# Altium PCB Copy of Blower_Pcb.PcbDoc (part 1 of 2) (continued)
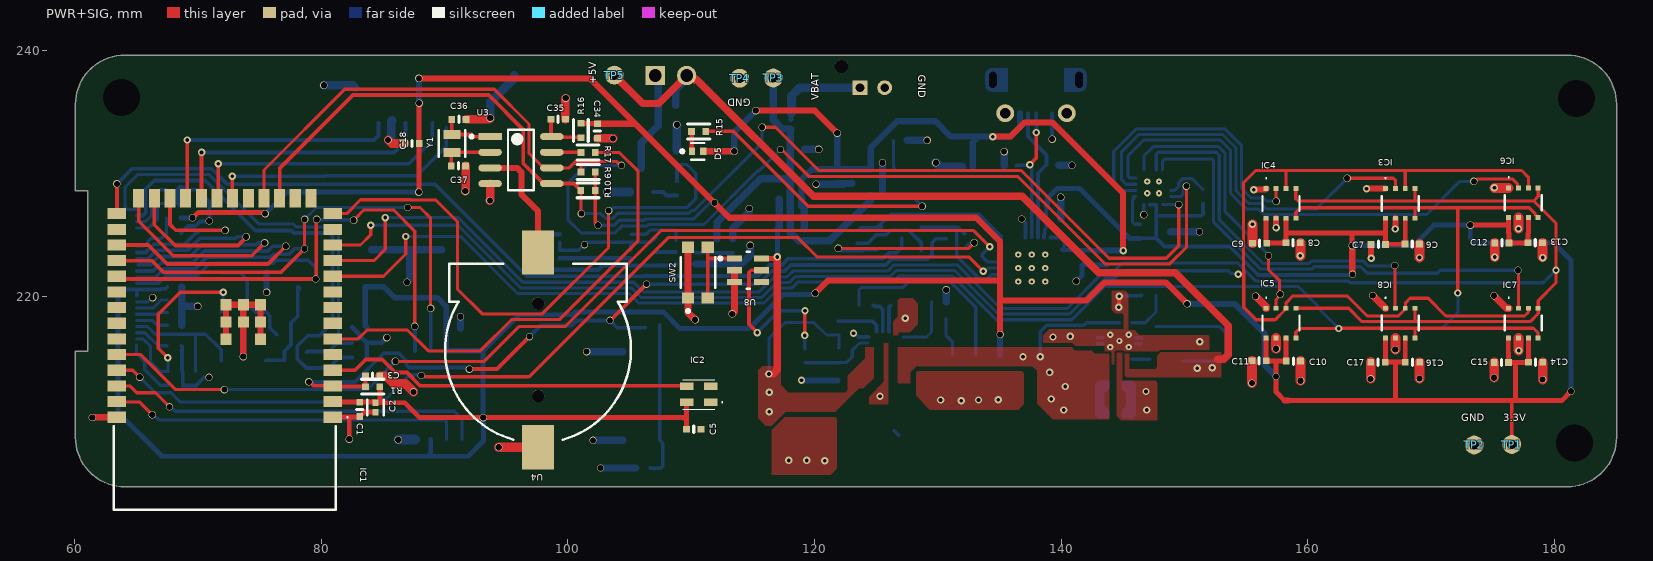
[diagram p0: PWR+SIG view]
## Part data (continued)
Q2: library part CMP-02550-000099-2, "MOSFET N-CH 30V 1.4A SC-70-3", Case/Package=SOT-323, Continuous Drain Current (ID)=1.5A, Drain to Source Breakdown Voltage=30V, Drain to Source Resistance=132mR, Gate to Source Voltage (Vgs)=12V, Input Capacitance=105pF, Max Operating Temperature=150°C, Max Power Dissipation=500mW, Min Operating Temperature=-55°C, Package Quantity=3000, Power Dissipation=400mW, Threshold Voltage=600mV, Drain to Source Voltage (Vdss)=30V, Drain-source On Resistance-Max=132mR, Element Configuration=Single, Fall Time=8ns, Height=1mm, Lead Free="Lead Free", Length=2.2mm, Mount="Surface Mount", Number of Channels=1, Number of Elements=1, Number of Pins=3, On-State Resistance=132mR, Packaging="Tape and Reel", Polarity=N-CHANNEL, Radiation Hardening=No, Rds On Max=132mR, REACH SVHC="No SVHC", Rise Time=9ns, RoHS Compliant=Yes, Series=TrenchFET®, Turn-Off Delay Time=8ns, Turn-On Delay Time=2ns, Weight=0.004395oz, Width=1.35mm
Q3: library part CMP-12801-000080-1, "MOSFET P-CH 30V 2.5A SOT-23", Case/Package=SOT-23, Continuous Drain Current (ID)=3.8A, Drain to Source Resistance=90mR, Drain to Source Voltage (Vdss)=30V, Gate to Source Voltage (Vgs)=20V, Input Capacitance=371.3pF, Max Operating Temperature=150°C, Max Power Dissipation=760mW, Min Operating Temperature=-55°C, Package Quantity=3000, Power Dissipation=1.36W, Element Configuration=Single, Fall Time=13.4ns, Height=1mm, Lead Free="Lead Free", Length=3mm, Mount="Surface Mount", Number of Channels=1, Number of Elements=1, Number of Pins=3, Packaging="Tape and Reel", Radiation Hardening=No, Rds On Max=90mR, REACH SVHC="No SVHC", Rise Time=7.3ns, Turn-Off Delay Time=22.4ns, Turn-On Delay Time=4.8ns, Weight=0.000282oz, Width=1.4mm
Q4 Q5: library part CMP-20235-000001-1, "NPN TRANSISTOR 1.5A 40V SOT-23 R", Case/Package=TO-236-3, Collector Emitter Breakdown Voltage=25V, Collector Emitter Voltage (VCEO)=400mV, Max Collector Current=1.5A, Max Power Dissipation=300mW, Transition Frequency=100MHz, Max Breakdown Voltage=25V, Mount="Surface Mount", Packaging="Tape and Reel", RoHS Compliant=Yes
Q6: "N/A", Package=Package, Availability="Not in stock", Check_prices=https://www.snapeda.com/parts/FS8205A/Fortune+Semiconductor/view-part/?ref=eda, MF="Fortune Semiconductor", MP=FS8205A, Price=None, SnapEDA_Link=https://www.snapeda.com/parts/FS8205A/Fortune+Semiconductor/view-part/?ref=snap
R1 R4 R5 R7 R9 R10 R11 R12 R14 R18 R19 R20: library part ERJ-2GEJ103X, "RES SMD 10K OHM 5% 1/10W 0402", Digi-Key Part Number=P10KJCT-ND, Manufacturer="Panasonic Electronic Components", Operating Temperature="-55°C ~ 155°C", Package / Case="0402 (1005 Metric)", Power (Watts)="0.1W, 1/10W", Supplier Device Package=0402, Temperature Coefficient=±200ppm/°C, Tolerance=±5%, @ qty=1500, Composition="Thick Film", Datasheets=http://industrial.panasonic.com/www-cgi/jvcr13pz.cgi?E+PZ+3+AOA0001+ERJ2GEJ103X+7+WW, Factory Stock=0, Failure Rate=-, Features="Automotive AEC-Q200", Height - Seated (Max)="0.016\" (0.40mm)", Image=//media.digikey.com/Photos/Panasonic%20Photos/ERJ-PA2-Series.jpg, Minimum Quantity=1, Number of Terminations=2, Packaging="Cut Tape (CT)", Part Number=ERJ-2GEJ103X, Part Status=Active, Quantity Available=2560215, Series=ERJ, Size / Dimension="0.039\" L x 0.020\" W (1.00mm x 0.50mm)", Unit Price (USD)=0.00350
R2 R17 R28 R29: library part ERJ-2GE0R00X, "RES SMD 0.0OHM JUMPER 1/10W 0402", Digi-Key Part Number=P0.0JCT-ND, Manufacturer="Panasonic Electronic Components", Operating Temperature="-55°C ~ 155°C", Package / Case="0402 (1005 Metric)", Power (Watts)="0.1W, 1/10W", Supplier Device Package=0402, Temperature Coefficient=-, Tolerance=Jumper, @ qty=1500, Composition="Thick Film", Datasheets=http://industrial.panasonic.com/www-cgi/jvcr13pz.cgi?E+PZ+3+AOA0001+ERJ2GE0R00X+7+WW, Factory Stock=0, Failure Rate=-, Features="Automotive AEC-Q200", Height - Seated (Max)="0.016\" (0.40mm)", Image=//media.digikey.com/Photos/Panasonic%20Photos/ERJ-PA2-Series.jpg, Minimum Quantity=1, Number of Terminations=2, Packaging="Cut Tape (CT)", Part Number=ERJ-2GE0R00X, Part Status=Active, Quantity Available=3152483, Series=ERJ, Size / Dimension="0.039\" L x 0.020\" W (1.00mm x 0.50mm)", Unit Price (USD)=0.00384
R3 R25: library part ERJ-2RKF1000X, "RES SMD 100 OHM 1% 1/10W 0402", Digi-Key Part Number=P100LCT-ND, Manufacturer="Panasonic Electronic Components", Operating Temperature="-55°C ~ 155°C", Package / Case="0402 (1005 Metric)", Power (Watts)="0.1W, 1/10W", Supplier Device Package=0402, Temperature Coefficient=±100ppm/°C, Tolerance=±1%, @ qty=1500, Composition="Thick Film", Datasheets=http://industrial.panasonic.com/www-cgi/jvcr13pz.cgi?E+PZ+3+AOA0002+ERJ2RKF1000X+7+WW, Factory Stock=0, Failure Rate=-, Features="Automotive AEC-Q200", Height - Seated (Max)="0.016\" (0.40mm)", Image=//media.digikey.com/Photos/Panasonic%20Photos/ERJ-PA2-Series.jpg, Minimum Quantity=1, Number of Terminations=2, Packaging="Cut Tape (CT)", Part Number=ERJ-2RKF1000X, Part Status=Active, Quantity Available=2283953, Series=ERJ, Size / Dimension="0.039\" L x 0.020\" W (1.00mm x 0.50mm)", Unit Price (USD)=0.00496
R6 R8: library part ERJ-2GEJ3R0X, "RES SMD 3 OHM 5% 1/10W 0402", Digi-Key Part Number=P3.0JCT-ND, Manufacturer="Panasonic Electronic Components", Operating Temperature="-55°C ~ 155°C", Package / Case="0402 (1005 Metric)", Power (Watts)="0.1W, 1/10W", Supplier Device Package=0402, Temperature Coefficient="-100/ +600ppm/°C", Tolerance=±5%, @ qty=1500, Composition="Thick Film", Datasheets=http://industrial.panasonic.com/www-cgi/jvcr13pz.cgi?E+PZ+3+AOA0001+ERJ2GEJ3R0X+7+WW, Factory Stock=0, Failure Rate=-, Features="Automotive AEC-Q200", Height - Seated (Max)="0.016\" (0.40mm)", Image=//media.digikey.com/Photos/Panasonic%20Photos/ERJ-PA2-Series.jpg, Minimum Quantity=1, Number of Terminations=2, Packaging="Cut Tape (CT)", Part Number=ERJ-2GEJ3R0X, Part Status=Active, Quantity Available=212144, Series=ERJ, Size / Dimension="0.039\" L x 0.020\" W (1.00mm x 0.50mm)", Unit Price (USD)=0.00350
R13: library part ERJ-2GEJ202X, "RES SMD 2K OHM 5% 1/10W 0402", Digi-Key Part Number=P2.0KJCT-ND, Manufacturer="Panasonic Electronic Components", Operating Temperature="-55°C ~ 155°C", Package / Case="0402 (1005 Metric)", Power (Watts)="0.1W, 1/10W", Supplier Device Package=0402, Temperature Coefficient=±200ppm/°C, Tolerance=±5%, @ qty=1500, Composition="Thick Film", Datasheets=http://industrial.panasonic.com/www-cgi/jvcr13pz.cgi?E+PZ+3+AOA0001+ERJ2GEJ202X+7+WW, Factory Stock=0, Failure Rate=-, Features="Automotive AEC-Q200", Height - Seated (Max)="0.016\" (0.40mm)", Image=//media.digikey.com/Photos/Panasonic%20Photos/ERJ-PA2-Series.jpg, Minimum Quantity=1, Number of Terminations=2, Packaging="Cut Tape (CT)", Part Number=ERJ-2GEJ202X, Part Status=Active, Quantity Available=185761, Series=ERJ, Size / Dimension="0.039\" L x 0.020\" W (1.00mm x 0.50mm)", Unit Price (USD)=0.00350
R15: library part ERJ-2RKF4700X, "RES SMD 470 OHM 1% 1/10W 0402", Digi-Key Part Number=P470LCT-ND, Manufacturer="Panasonic Electronic Components", Operating Temperature="-55°C ~ 155°C", Package / Case="0402 (1005 Metric)", Power (Watts)="0.1W, 1/10W", Supplier Device Package=0402, Temperature Coefficient=±100ppm/°C, Tolerance=±1%, @ qty=1500, Composition="Thick Film", Datasheets=http://industrial.panasonic.com/www-cgi/jvcr13pz.cgi?E+PZ+3+AOA0002+ERJ2RKF4700X+7+WW, Factory Stock=0, Failure Rate=-, Features="Automotive AEC-Q200", Height - Seated (Max)="0.016\" (0.40mm)", Image=//media.digikey.com/Photos/Panasonic%20Photos/ERJ-PA2-Series.jpg, Minimum Quantity=1, Number of Terminations=2, Packaging="Cut Tape (CT)", Part Number=ERJ-2RKF4700X, Part Status=Active, Quantity Available=52644, Series=ERJ, Size / Dimension="0.039\" L x 0.020\" W (1.00mm x 0.50mm)", Unit Price (USD)=0.00496
R16 R27: library part ERJ-2GEJ102X, "RES SMD 1K OHM 5% 1/10W 0402", Digi-Key Part Number=P1.0KJCT-ND, Manufacturer="Panasonic Electronic Components", Operating Temperature="-55°C ~ 155°C", Package / Case="0402 (1005 Metric)", Power (Watts)="0.1W, 1/10W", Supplier Device Package=0402, Temperature Coefficient=±200ppm/°C, Tolerance=±5%, @ qty=1500, Composition="Thick Film", Datasheets=http://industrial.panasonic.com/www-cgi/jvcr13pz.cgi?E+PZ+3+AOA0001+ERJ2GEJ102X+7+WW, Factory Stock=0, Failure Rate=-, Features="Automotive AEC-Q200", Height - Seated (Max)="0.016\" (0.40mm)", Image=//media.digikey.com/Photos/Panasonic%20Photos/ERJ-PA2-Series.jpg, Minimum Quantity=1, Number of Terminations=2, Packaging="Cut Tape (CT)", Part Number=ERJ-2GEJ102X, Part Status=Active, Quantity Available=1939857, Series=ERJ, Size / Dimension="0.039\" L x 0.020\" W (1.00mm x 0.50mm)", Unit Price (USD)=0.00350
R21: library part ERJ-2RKF4703X, "RES SMD 470K OHM 1% 1/10W 0402", Digi-Key Part Number=P470KLCT-ND, Manufacturer="Panasonic Electronic Components", Operating Temperature="-55°C ~ 155°C", Package / Case="0402 (1005 Metric)", Power (Watts)="0.1W, 1/10W", Supplier Device Package=0402, Temperature Coefficient=±100ppm/°C, Tolerance=±1%, @ qty=1500, Composition="Thick Film", Datasheets=http://industrial.panasonic.com/www-cgi/jvcr13pz.cgi?E+PZ+3+AOA0002+ERJ2RKF4703X+7+WW, Factory Stock=0, Failure Rate=-, Features="Automotive AEC-Q200", Height - Seated (Max)="0.016\" (0.40mm)", Image=//media.digikey.com/Photos/Panasonic%20Photos/ERJ-PA2-Series.jpg, Minimum Quantity=1, Number of Terminations=2, Packaging="Cut Tape (CT)", Part Number=ERJ-2RKF4703X, Part Status=Active, Quantity Available=171557, Series=ERJ, Size / Dimension="0.039\" L x 0.020\" W (1.00mm x 0.50mm)", Unit Price (USD)=0.00496
R22: library part ERJ-2GEJ154X, "RES SMD 150K OHM 5% 1/10W 0402", Digi-Key Part Number=P150KJCT-ND, Manufacturer="Panasonic Electronic Components", Operating Temperature="-55°C ~ 155°C", Package / Case="0402 (1005 Metric)", Power (Watts)="0.1W, 1/10W", Supplier Device Package=0402, Temperature Coefficient=±200ppm/°C, Tolerance=±5%, @ qty=1500, Composition="Thick Film", Datasheets=http://industrial.panasonic.com/www-cgi/jvcr13pz.cgi?E+PZ+3+AOA0001+ERJ2GEJ154X+7+WW, Factory Stock=0, Failure Rate=-, Features="Automotive AEC-Q200", Height - Seated (Max)="0.016\" (0.40mm)", Image=//media.digikey.com/Photos/Panasonic%20Photos/ERJ-PA2-Series.jpg, Minimum Quantity=1, Number of Terminations=2, Packaging="Cut Tape (CT)", Part Number=ERJ-2GEJ154X, Part Status=Active, Quantity Available=100107, Series=ERJ, Size / Dimension="0.039\" L x 0.020\" W (1.00mm x 0.50mm)", Unit Price (USD)=0.00350
R23: library part ERJ-2GEJ104X, "RES SMD 100K OHM 5% 1/10W 0402", Digi-Key Part Number=P100KJCT-ND, Manufacturer="Panasonic Electronic Components", Operating Temperature="-55°C ~ 155°C", Package / Case="0402 (1005 Metric)", Power (Watts)="0.1W, 1/10W", Supplier Device Package=0402, Temperature Coefficient=±200ppm/°C, Tolerance=±5%, @ qty=1500, Composition="Thick Film", Datasheets=http://industrial.panasonic.com/www-cgi/jvcr13pz.cgi?E+PZ+3+AOA0001+ERJ2GEJ104X+7+WW, Factory Stock=0, Failure Rate=-, Features="Automotive AEC-Q200", Height - Seated (Max)="0.016\" (0.40mm)", Image=//media.digikey.com/Photos/Panasonic%20Photos/ERJ-PA2-Series.jpg, Minimum Quantity=1, Number of Terminations=2, Packaging="Cut Tape (CT)", Part Number=ERJ-2GEJ104X, Part Status=Active, Quantity Available=2387986, Series=ERJ, Size / Dimension="0.039\" L x 0.020\" W (1.00mm x 0.50mm)", Unit Price (USD)=0.00350
R24: library part ERJ-2GEJ205X, "RES SMD 2M OHM 5% 1/10W 0402", Digi-Key Part Number=P2.0MJCT-ND, Manufacturer="Panasonic Electronic Components", Operating Temperature="-55°C ~ 155°C", Package / Case="0402 (1005 Metric)", Power (Watts)="0.1W, 1/10W", Supplier Device Package=0402, Temperature Coefficient="-400/ +150ppm/°C", Tolerance=±5%, @ qty=1500, Composition="Thick Film", Datasheets=http://industrial.panasonic.com/www-cgi/jvcr13pz.cgi?E+PZ+3+AOA0001+ERJ2GEJ205X+7+WW, Factory Stock=0, Failure Rate=-, Features="Automotive AEC-Q200", Height - Seated (Max)="0.016\" (0.40mm)", Image=//media.digikey.com/Photos/Panasonic%20Photos/ERJ-PA2-Series.jpg, Minimum Quantity=1, Number of Terminations=2, Packaging="Cut Tape (CT)", Part Number=ERJ-2GEJ205X, Part Status=Active, Quantity Available=395013, Series=ERJ, Size / Dimension="0.039\" L x 0.020\" W (1.00mm x 0.50mm)", Unit Price (USD)=0.00350
R26: library part ERJ-2GEJ224X, "RES SMD 220K OHM 5% 1/10W 0402", Digi-Key Part Number=P220KJCT-ND, Manufacturer="Panasonic Electronic Components", Operating Temperature="-55°C ~ 155°C", Package / Case="0402 (1005 Metric)", Power (Watts)="0.1W, 1/10W", Supplier Device Package=0402, Temperature Coefficient=±200ppm/°C, Tolerance=±5%, @ qty=1500, Composition="Thick Film", Datasheets=http://industrial.panasonic.com/www-cgi/jvcr13pz.cgi?E+PZ+3+AOA0001+ERJ2GEJ224X+7+WW, Factory Stock=0, Failure Rate=-, Features="Automotive AEC-Q200", Height - Seated (Max)="0.016\" (0.40mm)", Image=//media.digikey.com/Photos/Panasonic%20Photos/ERJ-PA2-Series.jpg, Minimum Quantity=1, Number of Terminations=2, Packaging="Cut Tape (CT)", Part Number=ERJ-2GEJ224X, Part Status=Active, Quantity Available=84801, Series=ERJ, Size / Dimension="0.039\" L x 0.020\" W (1.00mm x 0.50mm)", Unit Price (USD)=0.00350
SW1: library part CMP-17879-000010-1, "SWITCH TACTILE SPST-NO 50MA 12V", Max Operating Temperature=70°C, Min Operating Temperature=-20°C, Operating Force=260gf, Actuator Type=Standard, Illumination Type=Non-Illuminated, Lead Free="Lead Free", Mechanical Life=200000Cycles, Mount="Surface Mount", Packaging="Tape and Reel", Switch Function=Off-Mom, Switch Travel=0.2mm, Termination="Gull Wing", Throw Configuration=SPST
SW2: library part CMP-10040-000006-1, "SWITCH TACTILE SPST-NO 0.05A 32V", Contact Current Rating=50mA, Contact Resistance=100mΩ, Manufacturer=C&K, Operating Force=2N, Package=0, Temperature="-40°C to +85°C", Temperature Range High=+85°C, Temperature Range Low=-40°C, Voltage Rating Dc=32V, Automotive=No, Category=Switch, ComponentLink2Description=Datasheet, ComponentLink2URL=https://dznh3ojzb2azq.cloudfront.net/products/Tactile/KMR2/documents/datasheet.pdf, Device Class L1=Electromechanical, Device Class L2=Switches, Device Class L3="Tactile Switches", Digikey Description="SWITCH TACTILE SPST-NO 0.05A 32V", Electromechanical Life=200000Cycles, Height=1.9mm, Lead Free=Yes, Manufacturer Part Number=KMR221NGLFS, Mount="Surface Mount", Mouser Description="Tactile Switches Tact", Octopart=https://octopart.com/kmr221nglfs-c%26k+components-7203802, RoHS=TRUE, Throw Configuration=SPST-NO
TP1 TP2 TP3 TP4 TP5: "0.4mm hole size Test point", Alternate Part Number-1=NA, Case/Package=TH, Manufacturer=NA, Manufacturer Part Number=NA, Supplier Part Number-1=NA, Supplier-1=NA
U1: library part CMP-0314-00034-2, "Low-Voltage 8-Bit I2C and SMBus I/O Expander, 1.65 to 5.5 V, -40 to 85 degC, 16-pin QFN (RGT), Green (RoHS & no Sb/Br)", 5V Tolerant I/O=Yes, Manufacturer="Texas Instruments", Max Frequency(kHz)=400, # of I/Os=8, Code_JEDEC=MO-220, ComponentLink1Description=Datasheet, ComponentLink1URL=http://www.ti.com/general/docs/lit/getliterature.tsp?genericPartNumber=TCA6408A&fileType=pdf, ComponentLink2Description="Package Specification", ComponentLink2URL=http://www.ti.com/litv/pdf/mpds361, Configuration Registers=Yes, DatasheetVersion=SCPS192C, Eco-Plan="Green (RoHS & no Sb/Br)", fSCLK(Max)(MHz)=400, I2C Address="0100 00x", Interrupt Output=Yes, Low Power=Yes, Mounting Technology="Surface Mount", No. of Outputs=8, PackageDescription="16-Pin Plastic Quad Flat No-Lead, 3 x 3 mm Body, 0.5 mm Pitch, 1.45 x 1.45 mm Exposed Pad", PackageReference=RGT0016A, PackageVersion="revH, Oct-2011", PartNumber=TCA6408ARGTR, Push-Pull I/O Type=Yes, Reset Input=Yes, SubFamily="I2C IO Expander", Vcc range(V)="1.65 to 5.5", VCC(Max)(V)=5.5, VCC(Min)(V)=1.65
U2: library part CMP-0133-00143-2, "IC CONTROLLR LI-ION 4.2V SOT23-5", Case/Package=SOT-23, Drain to Source Resistance=350mR, Max Charge Current=500mA, Max Input Voltage=6V, Max Operating Temperature=85°C, Max Output Voltage=4.5V, Max Power Dissipation=1.54W, Min Operating Temperature=-40°C, Min Output Voltage=4.168V, Min Supply Voltage=3.75V, Output Voltage=4.2V, Voltage Rating=4.534V, Contact Plating=Tin, Height=0.051inch, Lead Free="Lead Free", Length=0.122inch, Max Supply Voltage=6V, Mount="Surface Mount", Number of Cells=1, Number of Channels=1, Number of Outputs=1, Number of Pins=5, Output Current=500mA, Packaging="Tape and Reel", Radiation Hardening=No, REACH SVHC="No SVHC", Termination=SMD/SMT, Weight=0.00709oz, Width=0.071inch
U3: library part CMP-10083-000014-1, "IC RTC CLK/CALENDAR I2C 8-SOIC", Case/Package=SO, Max Operating Temperature=85°C, Max Supply Voltage=5.5V, Min Operating Temperature=-40°C, Min Supply Voltage=1.2V, Package Quantity=2500, Contact Plating=Gold, Interface=I2C, Lead Free="Lead Free", Logic Function=Clock, Mount="Surface Mount", Number of Pins=8, Packaging="Tape and Reel", Radiation Hardening=No, REACH SVHC="No SVHC", Time Format=HH:MM:SS
U4: "Undefined or Miscellaneous", Manufacturer_Name="Keystone Electronics", Mouser Part Number=534-1056TR, Datasheet Link=http://www.keyelco.com/product-pdf.cfm?p=4028, Manufacturer_Part_Number=1056TR, Mouser Price/Stock=https://www.mouser.co.uk/ProductDetail/Keystone-Electronics/1056TR?qs=sZfk%252BfAlGe6t6AyLJNcPdQ%3D%3D
U5: library part CMP-2000-04924-1, "Single-Chip USB to URAT Bridge, 3.3 V, -40 to 85 degC, 28-Pin QFN, RoHS, Tape and Reel", Manufacturer="Silicon Labs", Operating Supply Voltage (Max)=3.6V, Operating Supply Voltage (Min)=3V, Operating Supply Voltage (Typ)=3.3V, Operating Temperature (Max)=85C, Operating Temperature (Min)=-40C, Operating Temperature Classification=Industrial, Package Description="28-Pin Quad-Flat No-Leads Package, Body 5 x 5 mm, Pitch 0.5 mm", Package Reference=QFN-28, Package Type=QFNEP, Supply Current=26mA, Data Rate=1000kbps, Datasheet URL=http://www.mouser.com/ds/2/368/CP2102-9-247052.pdf, Datasheet Version="Rev. 1.6, 12/2013", Interface Circuit Standard 1=RS-232, Manufacturer URL=http://www.silabs.com/, Mounting=SurfaceMount, Number of Channels=1, Package URL=http://www.silabs.com/Support%20Documents/TechnicalDocs/C8051T61x.pdf, Packaging=TapeandReel, Pin Count=28, Rad Hardened=No, Transmitter and Receiver FIFO Counter=No
U6: library part CMP-04918-000001-1, "IC REG BCK BST ADJ 2A 15VQFN", Manufacturer="Texas Instruments", Max Junction Temp=+125°C, Max Supply Voltage=16V, Min Supply Voltage=2V, Nominal Supply Current=5-54uA, Output Current=2A, Output Voltage=2.5-9V, Package=RNM0015A, Switching Frequency=2400kHz, Temperature="-40°C to +125°C", Temperature Range Low=-40°C, Automotive=No, Category=IC, ComponentLink2Description=Datasheet, ComponentLink2URL=http://www.ti.com/lit/ds/symlink/tps63070.pdf, Device Class L1="Integrated Circuits (ICs)", Device Class L2="Power Management ICs", Device Class L3="Voltage Regulators - Switching", Digikey Description="IC REG BCK BST ADJ 2A 15VQFN", Height=1mm, Lead Free=Yes, Manufacturer Part Number=TPS63070RNMT, Max Duty Cycle=100%, Number of Outputs=1, Octopart=https://octopart.com/tps63070rnmt-texas+instruments-75117739, Output Type=AdjustableProgrammable, RoHS=TRUE, Standoff Height=0mm, Switching Topology=Buck-Boost, Temperature Range High=+125°C
U7: library part CMP-0347-00023-2, "Boost Voltage Converter with 0.3 to 5.5 V Input and 1.8 to 5.5 V Output, -40 to 85 degC, 10-Pin SON (DRC), Green (RoHS & no Sb/Br)", Manufacturer="Texas Instruments", Switching Frequency(Max)(kHz)=1250, ComponentLink1Description=Datasheet, ComponentLink1URL=http://www.ti.com/general/docs/lit/getliterature.tsp?genericPartNumber=TPS61200&fileType=pdf, ComponentLink2Description="Package Specification", ComponentLink2URL=http://www.ti.com/litv/pdf/mpds117k, DatasheetVersion=SLVS577B, Eco-Plan="Green (RoHS & no Sb/Br)", Mounting Technology="Surface Mount", PackageDescription="10-Pin Plastic Small Outline No-Lead, 3 x 3 x 1 mm Body, 0.5 mm Pitch, Exposed Pad", PackageReference=DRC0010J, PackageVersion="revL, Sep-2011", PartNumber=TPS61200DRCT, Regulated Outputs(#)=1, SubFamily="Step-Up Regulator", Synchronous Rectification=TRUE, Topology=Boost, Vin(Max)(V)=5.5, Vin(Min)(V)=0.3, Vout(Max)(V)=5.5, Vout(Min)(V)=1.8
U8: library part CMP-0251-00627-2, "IC INTFACE SPECIALIZED TSOT23-6", Case/Package=SOT-23-6, Max Operating Temperature=125°C, Max Power Dissipation=727W, Max Supply Voltage=5.5V, Min Operating Temperature=-40°C, Min Supply Voltage=2.7V, Number of Voltages Monitored=1, Operating Supply Current=7uA, Undervoltage Threshold=1.8V, Contact Plating=Tin, Height=0.73mm, Length=4mm, Mount="Surface Mount", Number of Pins=6, Output Type=PUSH-PULL, Package Quantity=1, Packaging="Tape and Reel", Radiation Hardening=No, RoHS Compliant=Yes, Series=-, Watchdog Timer=No, Width=4mm
Y1: library part CMP-27762-015421-1, "Crystal 32.768kHz ±20ppm (Tol) 9pF FUND 90kΩ 2-Pin Mini-CSMD T/R", Case/Package=CSMD, ESR (Equivalent Series Resistance)=90kR, Frequency=32.768kHz, Frequency Tolerance=20ppm, Load Capacitance=9pF, Max Operating Temperature=85°C, Min Operating Temperature=-40°C, Package Quantity=3000, Depth=1.2mm, Height=0.6mm, Lead Free="Lead Free", Length=2mm, Mount="Surface Mount", Number of Pins=2, Packaging="Tape and Reel", RoHS Compliant=Yes, Series=ABS06, Termination=SMD/SMT, Tolerance=20ppm, Width=1.2mm

## Free pads (board coordinates)
  round 1.524 hole 3: 2(63.778,236.165) 2(181.619,208.15) 2(181.803,236.09)

## Via types
v1: diameter 0.6, hole 0.5, PWR+SIG to PWR+SIG (Bottom), tented both sides, 116 vias
v2: diameter 0.6, hole 0.3, PWR+SIG to PWR+SIG (Bottom), tented both sides, 65 vias
v3: diameter 0.5, hole 0.2, PWR+SIG to PWR+SIG (Bottom), tented both sides, 18 vias

## Nets (pads, with @x,y where several pads share a name; then routed paths per layer and width w, separated by ;. In a path a pad name is that pad's centre, name@x,y a point inside that pad or via, vN(x,y) a via of type N, cw(c..) or ccw(c..) an arc to the next point about the centre after c; other vN are vias at no path point)
+3V3: C1.1 C2.1 C5.1 C6.1 C7.1 C8.1 C9.1 C10.1 C11.1 C12.1 C13.1 C14.1 C15.1 C16.1 C17.1 C18.1 C22.1 C30.1 C31.1 C34.1 C38.1 C41.1 C42.1 C43.1 C48.1 C49.1 C50.1 C52.1 C57.1 H1.3 H1.7 H1.8 IC1.2 IC2.4 IC3.6 IC3.8 IC4.6 IC4.8 IC5.6 IC5.8 IC6.6 IC6.8 IC7.6 IC7.8 IC8.6 IC8.8 J2.4 J4.15 J4.16 L2.1 L3.1 R1.2 R5.1 R9.1 R10.1 R11.2 R12.2 R16.1 R21.2 R23.1 TP1.1 U1.14 U1.15 U5.6 U6.7-8 U7.5 U7.6 U7.7 U7.8 | length 472.3
  PWR+SIG w0.3: R9.1@102.224,230.13 102.217,230.123 102.217,226.027 v1(102.438,225.806) ; TP1.1@176.36,207.825 TP1.1@176.555,208.02 176.555,211.582
  PWR+SIG w0.4: v1(69.551,226.418) 69.605,226.418 70.033,226.846 70.884,226.846 70.923,226.846 75.341,226.846 v1(75.441,226.746) ; IC1.2@80.924,211.506 80.95,211.48 83.094,211.48 C1.1@83.12,211.454 84.354,211.454 84.39,211.418 C2.1@84.39,211.409 84.732,211.409 ; R1.2@84.744,212.71 84.744,211.421 84.732,211.409 ; v1(87.916,228.49) 87.925,228.499 87.925,232.501 87.935,232.51 v1(87.935,235.712) ; v1(93.13,210.207) 87.981,210.207 86.779,211.409 84.732,211.409 ; v1@93.133,210.21 109.385,210.21 109.62,209.976 ; R16.1@101.05,234.074 101.07,234.054 102.37,234.054 C34.1@102.39,234.034 ; C5.1@109.62,209.264 109.62,209.976 ; IC2.4@109.635,211.439 109.62,211.424 109.62,209.976 ; C11.1@156.606,214.74 156.606,214.88 156.634,214.909 IC5.8@156.634,216.672 ; IC4.8@156.634,226.375 156.634,224.4 C9.1@156.684,224.35 156.698,224.364 158.221,224.364 C8.1@158.234,224.378 158.234,225.069 ; C11.1@156.644,214.81 156.654,214.8 157.442,214.8 ; 158.14,211.582 157.429,212.293 v1(157.429,213.538) 157.429,214.749 157.48,214.8 C10.1@158.23,214.8 ; IC5.6@158.234,216.672 158.234,215.248 158.23,215.252 C10.1@158.23,214.8 ; IC4.6@158.234,226.375 158.234,225.069 ; C10.1@158.256,214.79 158.246,214.8 C10.1@158.23,214.8 ; 158.42,211.582 167.13,211.582 ; v1(163.601,224.155) 163.601,225.084 163.507,225.178 158.343,225.178 158.234,225.069 ; 163.601,225.178 166.312,225.178 ; IC8.8@166.312,216.672 166.312,214.737 166.351,214.698 167.13,214.698 ; IC3.8@166.312,226.375 166.312,225.178 ; C16.1@167.91,214.698 167.13,214.698 ; C16.1@167.912,214.675 IC8.6@167.912,216.672 ; IC3.6@167.912,226.375 167.912,224.314 167.863,224.265 166.327,224.265 C7.1@166.312,224.25 166.312,225.178 ; v1(173.185,225.814) 176.295,225.814 ; IC7.8@176.295,216.672 176.263,216.64 176.263,215.467 176.295,215.436 C15.1@176.295,214.675 176.302,214.682 176.86,214.682 ; IC6.8@176.295,226.438 176.295,225.189 176.334,225.15 C12.1@176.334,224.37 176.339,224.375 177.861,224.375 C13.1@177.866,224.38 177.866,225.121 177.914,225.17 177.914,226.418 IC6.6@177.895,226.438 ; IC7.6@177.895,216.672 177.914,216.652 177.914,214.708 177.888,214.682 176.86,214.682 ; v1(181.356,212.344) 180.594,211.582 176.822,211.582 ; 167.13,211.582 176.555,211.582 176.822,211.582 ; 167.13,211.582 167.13,214.698 ; 176.822,211.582 176.86,211.62 176.86,214.682
  PWR+SIG w0.5: v1(87.909,237.719) 101.778,237.719 105.462,234.034 ; C34.1@102.39,234.034 105.462,234.034 ; v1(120.066,220.294) 121.084,221.313 135.054,221.313 ; v1(135.054,216.944) 135.054,219.705 ; v1(150.216,219.431) 148.477,221.169 143.536,221.169 142.072,219.705 135.054,219.705 ; 158.14,211.582 158.42,211.582 ; v1(163.601,224.155) 163.619,224.137 163.619,221.833 v1(163.637,221.815) ; 105.462,234.034 113.082,226.414 133.098,226.414 135.054,224.457 135.054,221.313 ; 135.054,219.705 135.054,221.313
  PWR+SIG (Bottom) w0.254: 106.045,226.212 106.203,226.212 106.314,226.323 110.211,226.323 111.523,227.635 v1(111.887,227.635) ; R23.1@123.622,219.304 123.622,220.592 123.771,220.741 127.149,220.741 127.633,221.226 131.011,221.226 133.073,219.164 C49.1@133.073,215.341 ; R21.2@130.658,218.237 130.658,216.891 131.18,216.368 C48.1@131.18,215.338 ; v2(138.303,215.138) 138.303,217.171 138.824,217.692 141.822,217.692 142.026,217.895 U7.6@143.733,217.895 U7.7@144.233,217.895 U7.8@144.733,217.895
  PWR+SIG (Bottom) w0.3: 63.878,220.317 64.151,220.59 66.973,220.59 67.048,220.666 67.386,220.666 C22.1@67.51,220.79 ; J4.15@65.019,220.465 J4.16@65.019,220.09 J4.16@65.075,220.147 ; v1(102.438,225.806) 103.753,225.806 104.159,226.212 106.045,226.212 ; U5.6@138.618,224.806 138.618,225.081 138.668,225.131 138.668,225.487 138.797,225.616 C42.1@138.797,226.341 C41.1@138.797,227.351 ; R12.2@146.42,224.716 146.444,224.739 147.672,224.739 C31.1@147.696,224.763 ; U1.15@147.214,227.478 U1.14@147.714,227.478 147.716,227.476 147.716,226.416 ; R11.2@151.511,227.533 151.511,226.72 151.365,226.575 147.875,226.575 147.716,226.416 ; R11.2@151.536,227.533 R11.2@151.536,227.584 ; v1(163.637,221.815) 163.589,221.767 155.988,221.767 153.676,224.079 148.38,224.079 C31.1@147.696,224.763 ; C31.1@147.696,224.763 147.707,224.774 147.707,225.772 147.716,225.781 147.716,226.416
  PWR+SIG (Bottom) w0.4: 63.878,220.317 63.5,219.939 63.5,210.642 67.075,207.068 88.64,207.068 ; R5.1@68.623,226.394 68.635,226.406 69.539,226.406 v1(69.551,226.418) ; v1(75.441,226.746) 77.185,228.49 v1(87.916,228.49) ; J2.4@87.93,234.32 87.932,234.322 87.932,235.71 v1(87.935,235.712) ; H1.3@88.875,208.414 88.875,207.302 88.64,207.068 ; 92.957,215.614 93.066,215.722 ; v1@120,220.229 119.973,220.256 119.892,220.175 117.445,220.175 114.705,217.435 109.082,217.435 107.731,218.786 100.612,218.786 100.373,218.547 96.063,218.547 93.13,215.614 v1(93.13,210.207) 93.141,210.196 93.141,208.305 91.904,207.068 88.64,207.068 ; C41.1@138.797,227.351 138.882,227.436 138.882,227.987 139.676,228.78 141.526,228.78 145.591,224.716 R12.2@146.42,224.716 ; v1(163.601,224.155) 168.554,224.155 170.213,225.814 v1(173.185,225.814) 173.185,224.757 173.558,224.384 179.934,224.384 181.356,222.961 v1(181.356,212.344)
  PWR+SIG (Bottom) w0.45: C43.1@83.677,217.546 83.553,217.67 L2.1@83.553,220.828 85.054,220.828 85.949,219.933 89.414,219.933 90.119,219.228 C38.1@90.119,217.449 90.132,217.437 90.132,215.627 H1.7@90.145,215.614 H1.8@91.415,215.614 92.957,215.614
  PWR+SIG (Bottom) w0.5: v1(87.909,237.719) 87.922,237.706 87.922,235.725 v1(87.935,235.712) ; C50.1@135.054,215.316 v1(135.054,216.944) ; v1(150.216,219.431) 154.102,219.431 156.489,217.043 156.489,214.478 v1(157.429,213.538)
  other v2: 140.208,210.82 139.192,211.709 140.335,212.725 139.065,213.868 136.906,215.138
+5: C53.1 C56.1 D1.1 J3.2 R24.2 TP5.1 U7.2 | length 77.5
  PWR+SIG w0.6: TP5.1@103.77,237.985 106.074,235.681 107.361,235.681 J3.2@109.63,237.95 109.892,237.95 110.242,237.6 110.463,237.6 119.918,228.145 136.853,228.145 143.039,221.959 149.262,221.959 153.543,217.678 153.543,215.297 153.192,214.946 152.7,214.946
  PWR+SIG (Bottom) w0.254: R24.2@147.701,217.602 152.819,217.602 153.348,217.073 153.348,215.442 152.87,214.964 152.87,214.937 152.721,214.788 C53.1@149.91,214.788
  PWR+SIG (Bottom) w0.6: D1.1@108.74,235.52 108.74,236.798 109.63,237.688 J3.2@109.63,237.95
  other v2: 151.037,214.198 152.248,214.249
BLOWER: IC1.14 R3.1 R4.2 | length 47.8
  PWR+SIG w0.254: IC1.14@80.924,226.746 82.055,226.746 83.183,227.874 87.265,227.874 87.276,227.863 89.263,227.863 91.042,226.084 91.042,220.623 93.045,218.62 97.929,218.62 103.305,223.995 v1(103.305,226.992)
  PWR+SIG (Bottom) w0.254: v1(103.305,226.992) 103.399,226.992 103.637,227.231 109.629,227.231 110.363,227.965 110.363,229.997 109.629,230.731 R4.2@108.841,230.731
  PWR+SIG (Bottom) w0.3: R4.2@108.841,230.731 108.853,230.719 108.853,229.398 R3.1@108.866,229.385
BS: J4.8 R5.2 R6.1 | length 4.1
  PWR+SIG (Bottom) w0.254: J4.8@65.019,224.09 65.042,224.113 65.578,224.113 66.208,224.743 67.017,224.743 67.452,225.178 67.452,226.391 R5.2@67.455,226.394
BUSY: IC1.24 J4.9 | length 14.8
  PWR+SIG w0.3: IC1.24@67.683,227.95 IC1.24@67.729,227.996 67.729,225.861 68.2,225.39 v1(72.193,225.39)
  PWR+SIG (Bottom) w0.3: J4.9@65.019,223.59 65.73,223.59 66.406,224.266 68.905,224.266 69.857,225.218 69.975,225.218 70.147,225.39 v1(72.193,225.39)
CS1: IC4.2 U1.2 | length 24
  PWR+SIG w0.254: v1(157.434,227.757) IC4.2@157.434,228.775
  PWR+SIG (Bottom) w0.254: U1.2@146.064,228.628 146.057,228.635 144.872,228.635 144.272,229.235 144.272,231.782 146.113,233.623 153.276,233.623 154.641,232.258 154.641,228.777 155.4,228.017 156.4,228.017 156.661,227.757 v1(157.434,227.757)